# Altium PCB Ethernet2Mil_Adapter_Dual.PcbDoc (part 1 of 5) (continued)
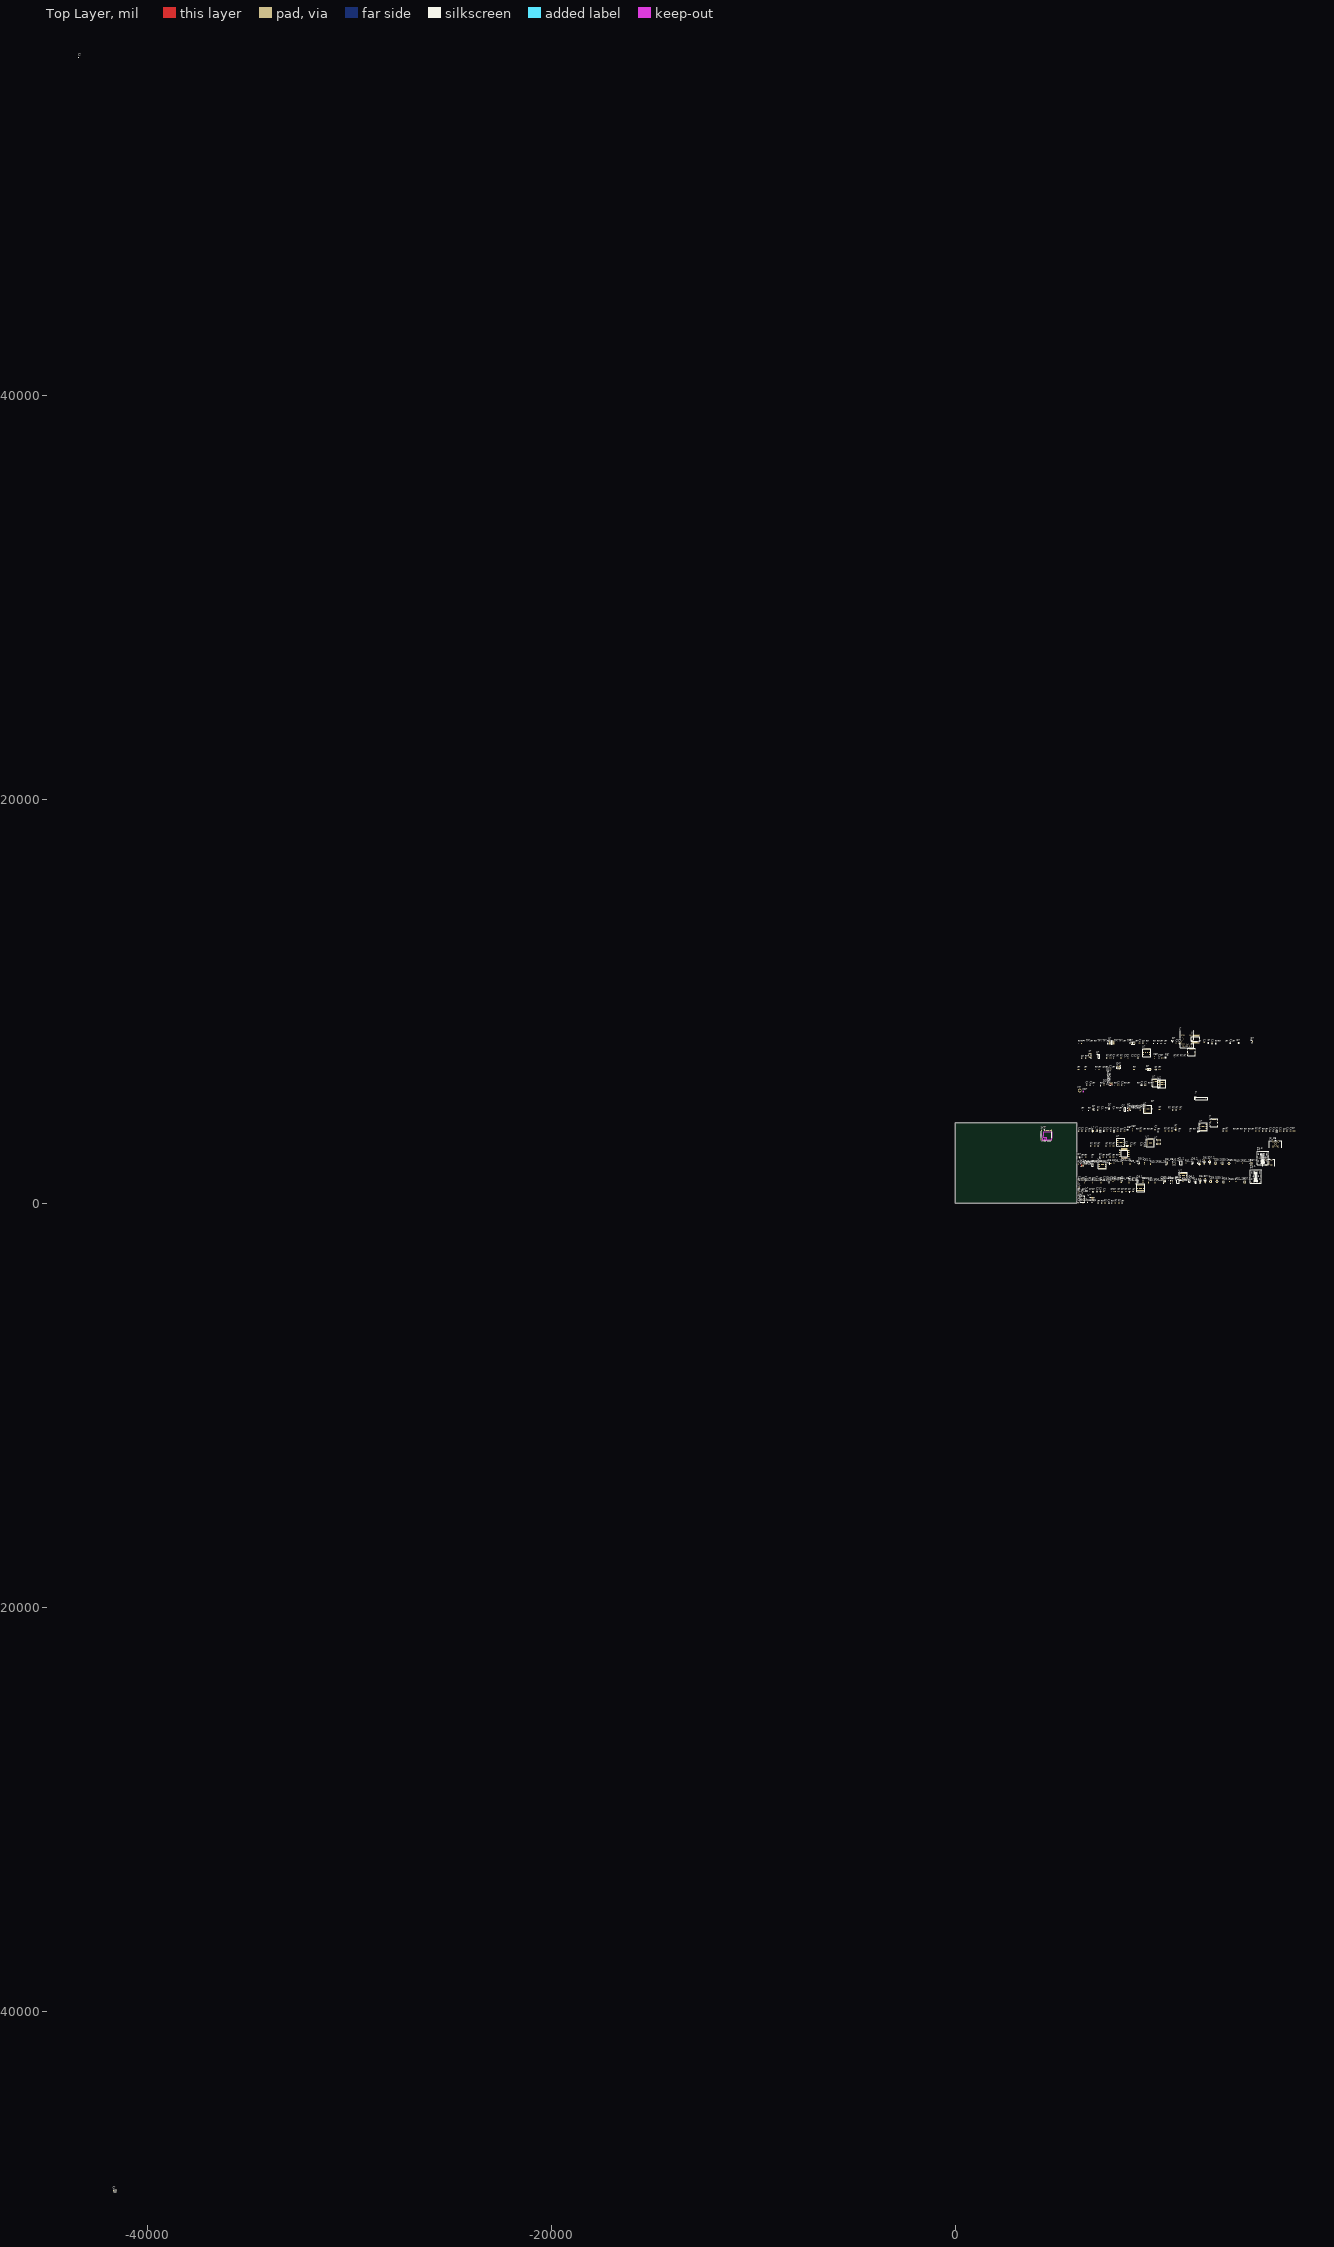
[diagram p0: Top Layer view]
## Components (designator, comment, footprint, x,y, rotation, side; value= is the part's Value field where it differs from the comment) (continued)
C? "Capacitor 470nF +/-40% 10V 0402" CAPC0402(1005)60_L 8370,7205 r0 top value=470nF (schematic designator C46)
C? "Capacitor 100 nF +/-10% 50 V 0603" CAPC1608X90X40NL10T20 9105,7930 r0 top value=100nF (schematic designator C69)
C? "Capacitor 10 pF +/- 5% 50 V 0402" CAPC1005X55X25ML05T05 10925,7935 r0 top value=10pF (schematic designator C91)
C? "Capacitor 470nF +/-40% 10V 0402" CAPC0402(1005)60_L 15730,3585 r0 top value=470nF (schematic designator C10)
C? "Capacitor 4.7µF +/-20% 10V 0603" CAPC0603(1608)100_L 7685,3585 r0 top value=4.7µF (schematic designator C99)
C? "Capacitor 100 nF +/-10% 50 V 0603" CAPC1608X90X40NL10T20 8365,3585 r0 top value=100nF (schematic designator C71)
C? "Capacitor 470nF +/-40% 10V 0402" CAPC0402(1005)60_L 6450,3585 r0 top value=470nF (schematic designator C15)
C? "Capacitor 470nF +/-40% 10V 0402" CAPC0402(1005)60_L 8190,3580 r0 top value=470nF (schematic designator C17)
C? "Capacitor 470nF +/-40% 10V 0402" CAPC0402(1005)60_L 15560,3585 r0 top value=470nF (schematic designator C13)
C? "Capacitor 100 nF +/-10% 50 V 0603" CAPC1608X90X40NL10T20 16580,3585 r0 top value=100nF (schematic designator C67)
C? "Capacitor 100 nF +/-10% 50 V 0603" CAPC1608X90X40NL10T20 7510,3580 r0 top value=100nF (schematic designator C65)
C? "Capacitor 4.7µF +/-20% 10V 0603" CAPC0603(1608)100_L 9880,3665 r90 top value=4.7µF (schematic designator C78)
C? "C0402C270F5GACTU" FP-C0402-BB-MFG 7345,3585 r0 top value=27pF (schematic designator C102)
C? "Capacitor 1 uF +/- 10% 50 V 0805" CAPC2013X135X45NL10T25 16070,3585 r0 top value=1µF (schematic designator C49)
C? "Capacitor 4.7µF +/-20% 10V 0603" CAPC0603(1608)100_L 16410,3585 r0 top value=4.7µF (schematic designator C30)
C? "EMK107SD103KA-T" FP-0603-L_1_6_0_1-W_0_8_0-MFG 9210,5865 r0 top (schematic designator C18)
C? "Capacitor 470nF +/-40% 10V 0402" CAPC0402(1005)60_L 7240,4635 r0 top value=470nF (schematic designator C25)
C? "Capacitor 1 uF +/- 10% 50 V 0805" CAPC2013X135X45NL10T25 8060,5865 r0 top value=1µF (schematic designator C50)
C? "Capacitor 470nF +/-40% 10V 0402" CAPC0402(1005)60_L 6680,5860 r0 top value=470nF (schematic designator C38)
C? "Capacitor 4.7µF +/-20% 10V 0603" CAPC0603(1608)100_L 6495,5865 r0 top value=4.7µF (schematic designator C63)
C? "Capacitor 470nF +/-40% 10V 0402" CAPC0402(1005)60_L 7805,4635 r0 top value=470nF (schematic designator C39)
C? "Capacitor 4.7µF +/-20% 10V 0603" CAPC0603(1608)100_L 6270,3580 r0 top value=4.7µF (schematic designator C82)
C? "Capacitor 470nF +/-40% 10V 0402" CAPC0402(1005)60_L 16235,3580 r0 top value=470nF (schematic designator C34)
C? "VJ0805Y104JXXAT" CAPC2013X145X48ML20T23 16750,3585 r0 top value=100nF (schematic designator C51)
C? "Capacitor 100 nF +/-10% 50 V 0603" CAPC1608X90X40NL10T20 10095,4645 r0 top value=100nF (schematic designator C79)
C? "Capacitor 100 nF +/-10% 50 V 0603" CAPC1608X90X40NL10T20 8025,3585 r0 top value=100nF (schematic designator C72)
C? "GRM188R60J226MEA0J" FP-GRM188-0_2-IPC_C 15900,3585 r0 top (schematic designator C86)
CM? "DLW5BTM251SQ2L" CMC-2020 8085,6720 r0 top (schematic designator CM1)
D6.1 "SZ1SMA5932BT3G" ONSC-SMA-2-403D-02_F_V 12105,1140 r90 top (schematic designator D6)
D6.2 "SZ1SMA5932BT3G" ONSC-SMA-2-403D-02_F_V 12305,2050 r90 top (schematic designator D6)
D7.1 "SZ1SMA5932BT3G" ONSC-SMA-2-403D-02_F_V 12365,1140 r90 top (schematic designator D7)
D7.2 "SZ1SMA5932BT3G" ONSC-SMA-2-403D-02_F_V 12585,2050 r90 top (schematic designator D7)
D8.1 "MBR0520LT1G" FP-425-04-IPC_A 11585,1110 r90 top (schematic designator D8)
D8.2 "MBR0520LT1G" FP-425-04-IPC_A 11745,2020 r90 top (schematic designator D8)
D9.1 "MBR0520LT1G" FP-425-04-IPC_A 9020,1110 r90 top (schematic designator D9)
D9.2 "MBR0520LT1G" FP-425-04-IPC_A 9080,2020 r90 top (schematic designator D9)
D? "SP3420-04UTG" uDFN-10 9710,4735 r90 top (schematic designator D13)
D? "SM0402GC" LED_0402_GREEN 6125,2295 r0 top (schematic designator D5)
D? "LED_0402_GREEN" LED_0402_GREEN 9310,4705 r90 top (schematic designator D1)
D? "MMSZ5240BT1G" ONSC-SOD-123-2-425-04_V 7605,4705 r90 top (schematic designator D2)
D? "SMAJ5.0A-13-F" FP-SMA-MFG 8780,7935 r0 top (schematic designator D3)
D? "LED_0402_RED" LED_0402_RED 13990,7940 r0 top (schematic designator D4)
D? "SM0402GC" FP-SM0402GC-MFG 10745,8060 r90 top (schematic designator D11)
D? "SMAJ5.0A-13-F" FP-SMA-MFG 9580,6640 r0 top (schematic designator D10)
DS? "HSMG-C170" AVAG-HSMX-C170_V 7340,5895 r90 top (schematic designator DS1)
FB? "742792023" WE-CBF_0805_L2W1.2H0.9_HC 8750,3645 r90 top (schematic designator FB1)
FB? "MPZ1608S601ATA00" FP-MPZ1608-0_8-MFG 8520,3645 r90 top (schematic designator FB4)
FB? "MPZ1608S601ATA00" FP-MPZ1608-0_8-MFG 10405,7225 r90 top (schematic designator FB3)
FB? "742792023" WE-CBF_0805_L2W1.2H0.9_HC 9835,7225 r90 top (schematic designator FB2)
FD? "FID1X2R" FID1X2R 6325,5540 r90 top (schematic designator FD1)
IC1.1 "UCC27624DR" SOIC127P600X175-8N 11020,1100 r0 top (schematic designator IC1)
IC1.2 "UCC27624DR" SOIC127P600X175-8N 11160,2010 r0 top (schematic designator IC1)
J2_2B "CBBJR79A" CBBJR79A_MFG 15840,2505 r90 top (schematic designator J2)
J2_2B "CBBJR79A" CBBJR79A_MFG 15500,1595 r90 top (schematic designator J2)
J? "G800W302018EU" G800W302018EU 12175,5190 r90 top (schematic designator J5)
J? "1332643" 1332643 12790,3995 r0 top (schematic designator J1)
J? "HR911130A" HR911130A 11455,8135 r0 top (schematic designator J3)
J? "1332643" 1332643 11680,7495 r0 top (schematic designator J4)
L? "LQM18PN3R3MGHD" FP-LQM18PN_GH-MFG 6475,630 r0 top (schematic designator L2)
L? "SRN3015-3R3M" BOUR-SRN3015-2_V 6795,3590 r0 top (schematic designator L1)
M? "Mount3mm" Mount3mm-Footprint-1 6145,5585 r0 top (schematic designator M1)
Q3.1 "SI3932DV-T1-GE3" FP-C-06593-6-IPC_B 7600,1065 r0 top (schematic designator Q3)
Q3.2 "SI3932DV-T1-GE3" FP-C-06593-6-IPC_B 7640,1975 r0 top (schematic designator Q3)
Q3_2B "SI3932DV-T1-GE3" FP-C-06593-6-IPC_B 10335,1095 r90 top (schematic designator Q3)
Q3_2B "SI3932DV-T1-GE3" FP-C-06593-6-IPC_B 10455,2005 r90 top (schematic designator Q3)
Q? "IRF7324TRPBF" FP-PG-DSO-8-IPC_B 8385,4655 r0 top (schematic designator Q1)
Q? "BSS138" FP-318-08-IPC_B 6840,4655 r0 top (schematic designator Q4)
Q? "IRF7324TRPBF" FP-PG-DSO-8-IPC_B 7730,7965 r0 top (schematic designator Q1)
Q? "NTR4503NT1G" ONSC-SOT-23-3-318-08_V 14660,8010 r0 top (schematic designator Q2)
R11 "ERJ-3EKF4701V" RESC1608X55X30LL15T15#1 6075,510 r90 top value=4.7k
R13 "ERJ-3EKF4701V" RESC1608X55X30LL15T15#1 6275,510 r90 top value=4.7k
R32_2B "Resistor 0R +/- 5% 0603 100 mW" RESC1608X55X25ML10T15 13890,1055 r90 top value=0 (schematic designator R38)
R32_2B "Resistor 0R +/- 5% 0603 100 mW" RESC1608X55X25ML10T15 14210,1965 r90 top value=0 (schematic designator R38)
R36_2B "RC0603FR-0722RL" RESC1608X55X25LL10T15 9875,1030 r90 top value=22 (schematic designator R42)
R36_2B "RC0603FR-0722RL" RESC1608X55X25LL10T15 9995,1940 r90 top value=22 (schematic designator R42)
R37.1 "RES_0.75ohm_1W _1210" RESC3125X70X40LL20T20 14315,1065 r90 top value=0.75 (schematic designator R37)
R37.2 "RES_0.75ohm_1W _1210" RESC3125X70X40LL20T20 14635,1975 r90 top value=0.75 (schematic designator R37)
R38_1B "Resistor 0R +/- 5% 0603 100 mW" RESC1608X55X25ML10T15 7855,1965 r90 top value=0 (schematic designator R45)
R38_1B "Resistor 0R +/- 5% 0603 100 mW" RESC1608X55X25ML10T15 7795,1055 r90 top value=0 (schematic designator R45)
R39.1 "RES_0.75ohm_1W _1210" RESC3125X70X40LL20T20 13265,1065 r90 top value=0.75 (schematic designator R39)
R39.2 "RES_0.75ohm_1W _1210" RESC3125X70X40LL20T20 13545,1975 r90 top value=0.75 (schematic designator R39)
R39_1B "ERJ-3EKF4701V" RESC1608X55X30LL15T15#1 8645,1945 r90 top value=4.7k (schematic designator R44)
R39_1B "ERJ-3EKF4701V" RESC1608X55X30LL15T15#1 8585,1035 r90 top value=4.7k (schematic designator R44)
R40.1 "Resistor 0R +/- 5% 0603 100 mW" RESC1608X55X25ML10T15 13570,1055 r90 top value=0 (schematic designator R40)
R40.2 "Resistor 0R +/- 5% 0603 100 mW" RESC1608X55X25ML10T15 13870,1965 r90 top value=0 (schematic designator R40)
R41.1 "Resistor 0R +/- 5% 0603 100 mW" RESC1608X55X25ML10T15 11260,1055 r90 top value=0 (schematic designator R41)
R41.2 "Resistor 0R +/- 5% 0603 100 mW" RESC1608X55X25ML10T15 11400,1965 r90 top value=0 (schematic designator R41)
R41_2B "ERJ-3EKF4701V" RESC1608X55X30LL15T15#1 6815,1945 r90 top value=4.7k (schematic designator R49)
R41_2B "ERJ-3EKF4701V" RESC1608X55X30LL15T15#1 6795,1035 r90 top value=4.7k (schematic designator R49)
R43.1 "ERJ-3EKF4701V" RESC1608X55X30LL15T15#1 9555,1035 r90 top value=4.7k (schematic designator R43)
R43.2 "ERJ-3EKF4701V" RESC1608X55X30LL15T15#1 9655,1945 r90 top value=4.7k (schematic designator R43)
R43_1B "ERJ-3EKF4701V" RESC1608X55X30LL15T15#1 6395,1035 r90 top value=4.7k (schematic designator R48)
R43_1B "ERJ-3EKF4701V" RESC1608X55X30LL15T15#1 6415,1945 r90 top value=4.7k (schematic designator R48)
R46.1 "RC0603FR-0722RL" RESC1608X55X25LL10T15 7195,1030 r90 top value=22 (schematic designator R46)
R46.2 "RC0603FR-0722RL" RESC1608X55X25LL10T15 7215,1940 r90 top value=22 (schematic designator R46)
R47.1 "ERJ-3EKF4701V" RESC1608X55X30LL15T15#1 6075,1035 r90 top value=4.7k (schematic designator R47)
R47.2 "ERJ-3EKF4701V" RESC1608X55X30LL15T15#1 6075,1945 r90 top value=4.7k (schematic designator R47)
R53 "ERA-2AEB470X" RESC1005X40X25LL10T10 6070,280 r90 top value=47
R? "Resistor 10k +/-1% 0402 63 mW" RESC1005X40X25ML05T05 10375,3580 r0 top value=10k (schematic designator R114)
R? "Resistor 22R  +/-5 % 0402 63 mW" RESC0402(1005)_L 15380,3580 r0 top value=22 (schematic designator R87)
R? "RC0402FR-072K49L" RESC1005X40X25NL05T10 13765,3575 r0 top value=2.49k (schematic designator R86)
R? "ERA-2AEB470X" RESC1005X40X25LL10T10 9335,3575 r0 top value=47 (schematic designator R52)
R? "Resistor 1k +/-1% 0402 100 mW" RESC1005X40X25ML05T05 10715,3580 r0 top value=1k (schematic designator R68)
R? "Resistor 22R  +/-5 % 0402 63 mW" RESC0402(1005)_L 14320,3575 r0 top value=22 (schematic designator R65)
R? "CR0402-FX-24R0GLF" FP-CR0402-IPC_C 11990,3575 r0 top value=24 (schematic designator R103)
R? "Resistor 10R  +/-1 % 0402 63 mW" RESC0402(1005)_L 6615,3575 r0 top value=0_DNR (schematic designator R9)
R? "Resistor 1K +/-5 % 0402 63 mW" RESC0402(1005)_L 14505,3575 r0 top value=1k (schematic designator R98)
R? "Resistor 4k7 +/-1% 0402 100 mW" RESC1005X40X25ML05T05 11805,3575 r0 top value=4.7k (schematic designator R77)
R? "Resistor 4k7 +/-1% 0402 100 mW" RESC1005X40X25ML05T05 14870,3580 r0 top value=4.7k (schematic designator R78)
R? "RN73R1ETTP5101F25" FP-RN73R1E-MFG 10030,3575 r0 top value=5.1k (schematic designator R106)
R? "Resistor 100k +/-1% 0402 63 mW" RESC1005X40X25ML05T05 15040,3580 r0 top value=100k (schematic designator R94)
R? "Resistor 200K +/-1 % 0402 63 mW" RESC0402(1005)_L 11065,3575 r0 top value=200k (schematic designator R97)
R? "ERJ-3EKF4701V" RESC1608X55X30LL15T15#1 13415,3580 r0 top value=4.7k (schematic designator R17)
R? "Resistor 0R +/- 5% 0402 63 mW" RESC1005X40X25ML05T05 8980,3575 r0 top value=0_DNP (schematic designator R102)
R? "Resistor 2K2  +/-5 % 0402 63 mW" RESC0402(1005)_L 11620,3575 r0 top value=2.2k_DNR (schematic designator R27)
R? "Resistor 22R  +/-5 % 0402 63 mW" RESC0402(1005)_L 15210,3580 r0 top value=22 (schematic designator R84)
R? "ERA-2AEB470X" RESC1005X40X25LL10T10 13950,3575 r0 top value=47 (schematic designator R54)
R? "Resistor 100k +/-1% 0402 63 mW" RESC1005X40X25ML05T05 14135,3575 r0 top value=100k (schematic designator R91)
R? "Resistor 0R +/- 5% 0402 100 mW" RESC1005X40X25ML05T05 9690,3575 r0 top value=0 (schematic designator R23)
R? "Resistor 4k7 +/-1% 0402 100 mW" RESC1005X40X25ML05T05 10545,3580 r0 top value=4.7k (schematic designator R85)
R? "Resistor 0R +/- 0.05% 1206 250 mW" RESC3116X70X50ML13T20 10900,3665 r90 top value=0_DNR (schematic designator R76)
R? "Resistor 10k +/-1% 0402 100 mW" RESC1005X40X25ML05T05 9520,3575 r0 top value=10k (schematic designator R33)
R? "Resistor 2K2  +/-5 % 0402 63 mW" RESC0402(1005)_L 13245,3580 r0 top value=2.2k (schematic designator R28)
R? "Resistor 22R  +/-5 % 0402 63 mW" RESC0402(1005)_L 6780,2290 r0 top value=22 (schematic designator R63)
R? "Resistor 22R  +/-5 % 0402 63 mW" RESC0402(1005)_L 7475,2290 r0 top value=22 (schematic designator R64)
R? "Resistor 22R  +/-5 % 0402 63 mW" RESC0402(1005)_L 8790,585 r0 top value=22 (schematic designator R83)
R? "CR0402-FX-24R0GLF" FP-CR0402-IPC_C 7140,2290 r0 top value=24 (schematic designator R100)
R? "Resistor 10k +/-1% 0402 63 mW" RESC1005X40X25ML05T05 7310,2290 r0 top value=10k (schematic designator R116)
R? "Resistor 4k7 +/-1% 0402 100 mW" RESC1005X40X25ML05T05 7915,20 r0 top net-tie value=DNP_4.7k (schematic designator R60)
R? "ERJ-3EKF4701V" RESC1608X55X30LL15T15#1 8095,25 r0 top value=4.7k (schematic designator R19)
R? "Resistor 22R  +/-5 % 0402 63 mW" RESC0402(1005)_L 7235,20 r0 top value=22 (schematic designator R75)
R? "Resistor 22R  +/-5 % 0402 63 mW" RESC0402(1005)_L 7745,20 r0 top value=22 (schematic designator R71)
R? "ERJ-3EKF4701V" RESC1608X55X30LL15T15#1 7405,20 r0 top value=4.7k (schematic designator R14)
R? "47D5KR2F" RESC0402(1005)_L 8255,20 r0 top value=47.5k (schematic designator R8)
R? "Resistor 47K5 +/-1 % 0402 63 mW" RESC0402(1005)_L 7065,20 r0 top value=47.5k (schematic designator R21)
R? "Resistor 2K2  +/-5 % 0402 63 mW" RESC0402(1005)_L 7990,2280 r0 top value=2.2k (schematic designator R29)
R? "Resistor 100R +/-1 % 0402 63 mW" RESC0402(1005)_L 6705,2845 r0 top value=100 (schematic designator R16)
R? "ERJ-3EKF4701V" RESC1608X55X30LL15T15#1 7820,2845 r0 top value=4.7k (schematic designator R20)
R? "Resistor 0R +/- 5% 0402 63 mW" RESC1005X40X25ML05T05 7635,2845 r0 top value=0_DNP (schematic designator R107)
R? "Resistor 1K +/-5 % 0402 63 mW" RESC0402(1005)_L 7075,2845 r0 top value=1k (schematic designator R25)
R? "Resistor 100k +/-1% 0402 63 mW" RESC1005X40X25ML05T05 14690,3575 r0 top value=100k (schematic designator R88)
R? "ERJ-3EKF1000V" RESC1608X55X30LL15T15#2 9155,3580 r0 top value="100 Ω" (schematic designator R110)
R? "47D5KR2F" RESC0402(1005)_L 8850,2855 r0 top value=47.5k (schematic designator R3)
R? "ERJ-3EKF4701V" RESC1608X55X30LL15T15#1 7815,2290 r0 top value=4.7k (schematic designator R12)
R? "Resistor 22R  +/-5 % 0402 63 mW" RESC0402(1005)_L 6270,2290 r0 top value=22 (schematic designator R72)
R? "Resistor 10k +/-1% 0402 100 mW" RESC1005X40X25ML05T05 6440,2290 r0 top value=10k (schematic designator R32)
R? "RC0603JR-070RL" RESC1608X55X25ML10T15 7645,2290 r0 top (schematic designator R96)
R? "Resistor 22R  +/-5 % 0402 63 mW" RESC0402(1005)_L 7450,2845 r0 top value=22 (schematic designator R61)
R? "Resistor 4k7 +/-1% 0402 100 mW" RESC1005X40X25ML05T05 6890,2845 r0 top value=4.7k (schematic designator R59)
R? "Resistor 4k7 +/-1% 0402 100 mW" RESC1005X40X25ML05T05 11325,7205 r0 top value=4.7k (schematic designator R58)
R? "47D5KR2F" RESC0402(1005)_L 7495,7200 r0 top value=47.5k (schematic designator R6)
R? "ERA-2AEB470X" RESC1005X40X25LL10T10 8005,7200 r0 top value=47 (schematic designator R55)
R? "CR0402-FX-24R0GLF" FP-CR0402-IPC_C 12870,7920 r0 top value=24 (schematic designator R101)
R? "RC0402FR-07510RL" RESC1005X40X25NL05T10 10985,7205 r0 top value=510 (schematic designator R82)
R? "RC0603FR-0749R9L" RESC1608X55X25NL10T15 7665,7200 r0 top value="49.9 Ω" (schematic designator R1)
R? "CR0402-FX-5233GLF" RESC1005X40X25LL10T10 11155,7205 r0 top value=523k (schematic designator R92)
R? "Resistor 22R  +/-5 % 0402 63 mW" RESC0402(1005)_L 10815,7205 r0 top value=22 (schematic designator R74)
R? "Resistor 22R  +/-5 % 0402 63 mW" RESC0402(1005)_L 6440,7195 r0 top value=22 (schematic designator R70)
R? "ERJ-3EKF1000V" RESC1608X55X30LL15T15#2 8185,7195 r0 top value="100 Ω" (schematic designator R109)
R? "Resistor 200K +/-1 % 0402 63 mW" RESC0402(1005)_L 10375,7920 r0 top value=200k (schematic designator R93)
R? "47D5KR2F" RESC0402(1005)_L 6095,7925 r0 top value=47.5k (schematic designator R5)
R? "Resistor 51k +/-5% 0402 63 mW" RESC1005X40X25ML05T10 6900,7925 r0 top value=51k (schematic designator R26)
R? "Resistor 10k +/-1% 0402 100 mW" RESC1005X40X25ML05T05 13045,7925 r0 top value=10k (schematic designator R22)
R? "CRCW04021M13FKED" RESC1005X40X25NL05T05 13400,7925 r0 top value=1.13M (schematic designator R95)
R? "ERA-2AEB470X" RESC1005X40X25LL10T10 8935,7920 r0 top value=47 (schematic designator R56)
R? "Resistor 1k +/-1% 0402 100 mW" RESC1005X40X25ML05T05 6730,7925 r0 top value=1k (schematic designator R67)
R? "Resistor 2K +/-5 % 0402 63 mW" RESC0402(1005)_L 9815,7920 r0 top value=2k (schematic designator R118)
R? "47D5KR2F" RESC0402(1005)_L 9455,7925 r0 top value=47.5k (schematic designator R4)
R? "Resistor 200K +/-1 % 0402 63 mW" RESC0402(1005)_L 10000,7920 r0 top value=200k (schematic designator R89)
R? "Resistor 10k +/-1% 0402 100 mW" RESC1005X40X25ML05T05 8355,7925 r0 top value=10k (schematic designator R34)
R? "Resistor 0R +/- 5% 0402 63 mW" RESC1005X40X25ML05T05 13765,7920 r0 top value=0_DNP (schematic designator R99)
R? "CR0402-FX-24R0GLF" FP-CR0402-IPC_C 7540,7925 r0 top value=24 (schematic designator R104)
R? "Resistor 200K +/-1 % 0402 63 mW" RESC0402(1005)_L 10190,7920 r0 top value=200k (schematic designator R90)
R? "ERJ-3EKF4701V" RESC1608X55X30LL15T15#1 6095,6630 r0 top value=4.7k (schematic designator R18)
R? "Resistor 1k +/-1% 0402 100 mW" RESC1005X40X25ML05T05 10560,4640 r0 top net-tie value=0 (schematic designator R50)
R? "Resistor 1K +/-5 % 0402 63 mW" RESC0402(1005)_L 10755,4625 r0 top value=1k (schematic designator R24)
R? "Resistor 2K2  +/-5 % 0402 63 mW" RESC0402(1005)_L 10935,4625 r0 top value=2.2k (schematic designator R30)
R? "47D5KR2F" RESC0402(1005)_L 7040,4625 r0 top value=47.5k (schematic designator R2)
R? "ERJ-3EKF1000V" RESC1608X55X30LL15T15#2 8565,5850 r0 top value="100 Ω" (schematic designator R111)
R? "Resistor 12K  +/-1 % 0402 63 mW" RESC0402(1005)_L 8380,5845 r0 top value=12k (schematic designator R112)
R? "Resistor 10k +/-1% 0402 63 mW" RESC1005X40X25ML05T05 7985,4610 r0 top value=10k (schematic designator R115)
R? "Resistor 4k7 +/-1% 0402 100 mW" RESC1005X40X25ML05T05 9140,4625 r0 top value=4.7k (schematic designator R57)
R? "47D5KR2F" RESC0402(1005)_L 6605,4605 r0 top value=47.5k (schematic designator R7)
R? "Resistor 22R  +/-5 % 0402 63 mW" RESC0402(1005)_L 7425,4610 r0 top value=22 (schematic designator R73)
R? "22R2J" RESC0402(1005)_L 6270,4610 r0 top value=22 (schematic designator R117)
R? "ERJ-3EKF1000V" RESC1608X55X30LL15T15#2 11125,4640 r0 top value="100 Ω" (schematic designator R108)
R? "Resistor 22R  +/-5 % 0402 63 mW" RESC0402(1005)_L 8150,4605 r0 top value=22 (schematic designator R62)
R? "Resistor 22R  +/-5 % 0402 63 mW" RESC0402(1005)_L 6935,6640 r0 top value=22 (schematic designator R66)
R? "ERJ-3EKF4701V" RESC1608X55X30LL15T15#1 10090,6625 r0 top value=4.7k (schematic designator R15)
R? "RC0402FR-07510RL" RESC1005X40X25NL05T10 7460,6640 r0 top value=510 (schematic designator R81)
R? "Resistor 1k +/-1% 0402 100 mW" RESC1005X40X25ML05T05 7115,6630 r0 top value=1k (schematic designator R80)
R? "Resistor 10k +/-1% 0402 100 mW" RESC1005X40X25ML05T05 6425,6630 r0 top value=10k (schematic designator R36)
R? "Resistor 1k +/-1% 0402 100 mW" RESC1005X40X25ML05T05 7820,6640 r0 top value=1k (schematic designator R69)
R? "Resistor 1k +/-1% 0402 100 mW" RESC1005X40X25ML05T05 8835,6630 r0 top value=1k (schematic designator R79)
R? "Resistor 100k +/-1% 0402 63 mW" RESC1005X40X25ML05T05 9730,5850 r0 top value=100k (schematic designator R35)
R? "Resistor 1K +/-5 % 0402 63 mW" RESC0402(1005)_L 7875,5845 r0 top value=1k (schematic designator R31)
R? "Resistor 10k +/-1% 0402 63 mW" RESC1005X40X25ML05T05 9025,5845 r0 top value=10k (schematic designator R113)
R? "ERA-2AEB470X" RESC1005X40X25LL10T10 9550,5845 r0 top value=47 (schematic designator R51)
R? "Resistor 200R +/-5 % 0402 63 mW" RESC0402(1005)_L 6825,5845 r0 top value=200 (schematic designator R10)
R? "RN73R1ETTP5101F25" FP-RN73R1E-MFG 7180,5850 r0 top value=5.1k (schematic designator R105)
SKT? "5033981892" MOLX-5033981892_V 4494.49,3363.74 r0 top (schematic designator SKT1)
T1.1 "Q1553-22" "New footprint 1" 15050,1075 r90 top (schematic designator T1)
T1.2 "Q1553-22" "New footprint 1" 15390,1985 r90 top (schematic designator T1)
TP? "TPAD6R" TP06R 7290,7950 r90 top (schematic designator TP5)
TP? "TPAD6R" TP06R 8505,7950 r90 top (schematic designator TP1)
TP? "TPAD6R" TP06R 6240,7915 r90 top (schematic designator TP3)
TP? "TPAD6R" TP06R 8100,7950 r90 top (schematic designator TP4)
TP? "TestPoint_Ground_0.6mm" TestPoint_Ground_0.6mm-Footprint-1 7055,7950 r90 top (schematic designator TP7)
TP? "TPAD6R" TP06R 6480,7950 r90 top (schematic designator TP6)
TP? "TPAD6R" TP06R 7865,7950 r90 top (schematic designator TP2)
U4.1 "MIC5504-3.3YM5-TR" FP-SOT23-5LD-PL-1-MFG 11890,1055 r0 top (schematic designator U4)
U4.2 "MIC5504-3.3YM5-TR" FP-SOT23-5LD-PL-1-MFG 12070,1965 r0 top (schematic designator U4)
U5.1 "LTC2865IDE#PBF" LT-DE-UE-12_V 10695,1075 r0 top (schematic designator U5)
U5.2 "LTC2865IDE#PBF" LT-DE-UE-12_V 10815,1985 r0 top (schematic designator U5)
U? "FT4232HL-REEL" FP-LQFP-64-IPC_A 8360,2470 r0 top (schematic designator U12)
U? "LM3881MME/NOPB" FP-DGK0008A-IPC_B 6775,1905 r0 top (schematic designator U8)
U? "XC7A35T-1CPG236C" CPG236 8185,3035 r0 top (schematic designator U1)
U? "XC7A35T-1CPG236C" CPG236 9645,3010 r0 top (schematic designator U1)
U? "RTL8211F-CG" QFN-40-0.4-EP 10065,3035 r0 top (schematic designator U6)
U? "XPSM828303ARDSR" RDS0009A-MFG 6285,1905 r0 top (schematic designator U10)
U? "CYPD3177-24LQXQ" QFN-24-0MM5 6775,210 r0 top (schematic designator U3)
U? "IS61WV5128BLL-10BLI" FP-IS61WV5128BLL-10BLI-IPC_A 6285,210 r0 top (schematic designator U2)
U? "XC7A35T-1CPG236C" CPG236 9160,775 r0 top (schematic designator U1)
U? "XC7A35T-1CPG236C" CPG236 7265,1905 r0 top (schematic designator U1)
U? "XC7A35T-1CPG236C" CPG236 11275,1340 r0 top (schematic designator U1)
U? "XPSM828303ARDSR" RDS0009A-MFG 7695,5925 r90 top (schematic designator U9)
U? "93LC56B-I/SN" SOIC-SN8_L 7100,7280 r0 top (schematic designator U13)
U? "ADUM3160BRWZ" FP-RW-16-IPC_C 11875,8130 r90 top (schematic designator U11)
U? "XC7A35T-1CPG236C" CPG236 9460,7465 r0 top (schematic designator U1)
U? "XC7A35T-1CPG236C" CPG236 10210,5925 r90 top (schematic designator U1)
U? "XPSM828303ARDSR" RDS0009A-MFG 8600,4670 r0 top (schematic designator U7)
U? "XC7A35T-1CPG236C" CPG236 12255,3785 r90 top (schematic designator U1)
U? "XC7A35T-1CPG236C" CPG236 9525,4650 r0 top (schematic designator U1)
U? "XC7A35T-1CPG236C" CPG236 9930,5975 r90 top (schematic designator U1)
X? "ABM3B-12.000MHZ-B2-T" ABRA-ABM3B-4_V 6655,7325 r90 top (schematic designator X1)
Y1 "ASDM1-12.000MHZ-LC-T" FP-ASDM-ASDMB-MFG 6110,785 r0 top
Y? "ECS-2520MV-250-BN-TR" OSC_ECS-2520S25-250-FN-TR 7000,3610 r0 top (schematic designator Y2)

## Footprints (in the part's own frame and the unit in brackets; to place one, negate y for a bottom-side part, rotate by r counter-clockwise, add the part's x,y. Pads: shape width x height; smd on the part's side, far side on the other; paste and mask are expansions set on the pad)
1332643 [mm]
  rect 0.3x0.9 smd: A1(-2.75,3.795) A2(-2.25,3.795) A3(-1.75,3.795) A4(-1.25,3.795) A5(-0.75,3.795) A6(-0.25,3.795) A7(0.25,3.795) A8(0.75,3.795) A9(1.25,3.795) A10(1.75,3.795) A11(2.25,3.795) A12(2.75,3.795)
  round 0.7 hole 0.4: B1(2.8,2.585) B2(2.4,1.885) B3(1.6,1.885) B4(1.2,2.585) B5(0.8,1.885) B6(0.4,2.585) B7(-0.4,2.585) B8(-0.8,1.885) B9(-1.2,2.585) B10(-1.6,1.885) B11(-2.4,1.885) B12(-2.8,2.585)
  round 0.325 hole 0.65 unplated: MH1(-3.6,3.235)
  round 0.475 hole 0.95 unplated: MH2(3.6,3.235)
  round 1.815 hole 1.21: MH3(4.13,1.995) MH4(-4.13,1.995) MH5(-4.49,-2.405) MH6(4.49,-2.405)
  silkscreen extent -4.92,-4.93 4.92,5.5, body extent -4.92,-4.93 4.93,4.94, height 3.36
ABRA-ABM3B-4_V [mm] "SMD, 4-Leads, Body 5x3.2mm"
  rect 1.8x1.2 smd: 1(-2,-1.2) 2(2,-1.2) 3(2,1.2) 4(-2,1.2)
  silkscreen extent -3.57,-1.6 2.5,1.6, body extent -2.5,-1.59 2.5,1.59, height 1.13
AVAG-HSMX-C170_V [mm] "SMD, 2-Leads, Body 2x1.25mm, Height 0.8mm"
  rect 1.2x1.2 smd: 1(-1.05,0) 2(1.05,0)
  silkscreen extent 2.15,-0.63 2.15,0.63, body extent -1,-0.63 1,0.63, height 0.8
BOUR-SRN3015-2_V [mm] "SMD, 2-Leads, Body 3x3mm, Height 1.5mm"
  rect 1x2.7 smd: 1(-1.1,0) 2(1.1,0)
  silkscreen extent -1.22,-1.5 0.2,2.02, body extent -1.5,-1.5 1.5,1.5, height 1.5
CAPC0402(1005)60_L [mm] "Chip Capacitor, Body 1.0x0.5mm, Height 0.6mm, IPC High Density"
  rrect25% 0.5x0.55 smd: 1(-0.45,0) 2(0.45,0)
  silkscreen extent 0,-0.2 0,0.2, body extent -0.5,-0.25 0.5,0.25, height 0.6
CAPC0603(1608)100_L [mm] "Chip Capacitor, Body 1.6x0.8mm, Height 1.0mm, IPC High Density"
  rrect25% 0.66x0.76 smd: 1(-0.7,0) 2(0.7,0)
  silkscreen extent 0,-0.3 0,0.3, body extent -0.8,-0.4 0.8,0.4, height 0.95
CAPC0805(2012)145_L [mm] "Chip Capacitor, Body 2.0x1.2mm, Height 1.45mm, IPC High Density"
  rrect25% 0.76x1.3 smd: 1(-0.9,0) 2(0.89,0)
  silkscreen extent -0.3,-0.55 0.3,0.55, body extent -1,-0.6 1,0.6, height 1.45
CAPC1005X55X25ML05T05 [mm] "Chip Capacitor, 2-Leads, Body 1.05x0.55mm, IPC Low Density"
  rect 0.72x0.72 smd: 1(-0.51,0) 2(0.51,0)
  body extent -0.53,-0.28 0.53,0.28, height 0.55
CAPC1005X56X25LL10T15 [mm] "Chip Capacitor, 2-Leads, Body 1.10x0.60mm, IPC High Density"
  rect 0.58x0.54 smd: 1(-0.39,0) 2(0.39,0)
  body extent -0.55,-0.3 0.55,0.3, height 0.56
CAPC1608X90X35LL15T15 [mm] "Chip Capacitor, 2-Leads, Body 1.60x0.81mm, IPC High Density"
  rect 0.85x0.9 smd: 1(-0.65,0) 2(0.65,0)
  body extent -0.88,-0.48 0.87,0.48, height 0.9
CAPC1608X90X40NL10T20 [mm] "Chip Capacitor, 2-Leads, Body 1.70x0.90mm, IPC Medium Density"
  rect 0.95x0.95 smd: 1(-0.625,0) 2(0.625,0)
  body extent -0.85,-0.45 0.85,0.45, height 0.9
CAPC2013X135X45NL10T25 [mm] "Chip Capacitor, 2-Leads, Body 2.10x1.35mm, IPC Medium Density"
  rect 1.2x1.4 smd: 1(-0.85,0) 2(0.85,0)
  body extent -1.05,-0.67 1.05,0.67, height 1.35
CAPC2013X145X48ML20T23 [mm] "Chip Capacitor, 2-Leads, Body 2.00x1.25mm, IPC Low Density"
  rect 1.5x1.55 smd: 1(-0.925,0) 2(0.925,0)
  body extent -1.1,-0.72 1.1,0.72, height 1.45
CAPC3216X180X20ML20 [mm] "Chip Capacitor, 2-Leads, Body 3.40x1.80mm, IPC Low Density"
  rect 0.95x1.9 smd: 1(-1.775,0) 2(1.775,0)
  silkscreen extent -0.9,-0.85 0.9,0.85, body extent -1.7,-0.9 1.7,0.9, height 1.8
CAPC3325X279X50NL40T25 [mm] "Chip Capacitor, 2-Leads, Body 3.70x2.70mm, IPC Medium Density"
  rect 1.5x2.7 smd: 1(-1.45,0) 2(1.45,0)
  silkscreen extent -0.3,-1.25 0.3,1.25, body extent -1.85,-1.35 1.85,1.35, height 2.79
CBBJR79A_MFG [mil] "Recommended Land Pattern"
  rect 94.09x95.96 hole 62.5: 1(453,0)
  rrect100% 94.09x95.96 hole 62.5: 2(353,0)
  round 95.96 hole 62.5: 3(303,129) 4(561,129) 5(303,-129) 6(561,-129)
  silkscreen extent 256,-302 630,302, body extent -604,-305 613,305, height 10
CMC-2020 [mm]
  rect 1x1.7 smd: 1(0.95,1.5) 2(-0.95,1.5) 3(-0.95,-1.5) 4(0.95,-1.5)
  rect 1.3x0.7 smd: 1(2.1,2) 2(-2.1,2) 3(-2.1,-2) 4(2.1,-2)
  silkscreen extent -2.6,-1.3 2.6,2.8, body extent -2.5,-2.5 2.5,2.5, height 2.51
CPG236 [mm] "BGA, 238-Ball, Body 10x10mm,Pitch 0.5mm"
  round 0.25 smd: A1(-4.5,4.5) A2(-4,4.5) A3(-3.5,4.5) A4(-3,4.5) A5(-2.5,4.5) A6(-2,4.5) A7(-1.5,4.5) A8(-1,4.5) A9(-0.5,4.5) A10(0,4.5) A11(0.5,4.5) A12(1,4.5) A13(1.5,4.5) A14(2,4.5) A15(2.5,4.5) A16(3,4.5) A17(3.5,4.5) A18(4,4.5) A19(4.5,4.5) B1(-4.5,4) B2(-4,4) B3(-3.5,4) B4(-3,4) B5(-2.5,4) B6(-2,4) B7(-1.5,4) B8(-1,4) B9(-0.5,4) B10(0,4) B11(0.5,4) B12(1,4) B13(1.5,4) B14(2,4) B15(2.5,4) B16(3,4) B17(3.5,4) B18(4,4) B19(4.5,4) C1(-4.5,3.5) C2(-4,3.5) C3(-3.5,3.5) C4(-3,3.5) C5(-2.5,3.5) C6(-2,3.5) C7(-1.5,3.5) C8(-1,3.5) C9(-0.5,3.5) C10(0,3.5) C11(0.5,3.5) C12(1,3.5) C13(1.5,3.5) C14(2,3.5) C15(2.5,3.5) C16(3,3.5) C17(3.5,3.5) C18(4,3.5) C19(4.5,3.5) D1(-4.5,3) D2(-4,3) D3(-3.5,3) D17(3.5,3) D18(4,3) D19(4.5,3) E1(-4.5,2.5) E2(-4,2.5) E3(-3.5,2.5) E17(3.5,2.5) E18(4,2.5) E19(4.5,2.5) F1(-4.5,2) F2(-4,2) F3(-3.5,2) F17(3.5,2) F18(4,2) F19(4.5,2) G1(-4.5,1.5) G2(-4,1.5) G3(-3.5,1.5) G7(-1.5,1.5) G8(-1,1.5) G9(-0.5,1.5) G10(0,1.5) G11(0.5,1.5) G12(1,1.5) G13(1.5,1.5) G17(3.5,1.5) G18(4,1.5) G19(4.5,1.5) H1(-4.5,1) H2(-4,1) H3(-3.5,1) H7(-1.5,1) H8(-1,1) H9(-0.5,1) H10(0,1) H11(0.5,1) H12(1,1) H13(1.5,1) H17(3.5,1) H18(4,1) H19(4.5,1) J1(-4.5,0.5) J2(-4,0.5) J3(-3.5,0.5) J7(-1.5,0.5) J8(-1,0.5) J9(-0.5,0.5) J10(0,0.5) J11(0.5,0.5) J12(1,0.5) J13(1.5,0.5) J17(3.5,0.5) J18(4,0.5) J19(4.5,0.5) K1(-4.5,0) K2(-4,0) K3(-3.5,0) K7(-1.5,0) K8(-1,0) K12(1,0) K13(1.5,0) K17(3.5,0) K18(4,0) K19(4.5,0) L1(-4.5,-0.5) L2(-4,-0.5) L3(-3.5,-0.5) L7(-1.5,-0.5) L8(-1,-0.5) L9(-0.5,-0.5) L10(0,-0.5) L11(0.5,-0.5) L12(1,-0.5) L13(1.5,-0.5) L17(3.5,-0.5) L18(4,-0.5) L19(4.5,-0.5) M1(-4.5,-1) M2(-4,-1) M3(-3.5,-1) M7(-1.5,-1) M8(-1,-1) M9(-0.5,-1) M10(0,-1) M11(0.5,-1) M12(1,-1) M13(1.5,-1) M17(3.5,-1) M18(4,-1) M19(4.5,-1) N1(-4.5,-1.5) N2(-4,-1.5) N3(-3.5,-1.5) N7(-1.5,-1.5) N8(-1,-1.5) N9(-0.5,-1.5) N10(0,-1.5) N11(0.5,-1.5) N12(1,-1.5) N13(1.5,-1.5) N17(3.5,-1.5) N18(4,-1.5) N19(4.5,-1.5) P1(-4.5,-2) P2(-4,-2) P3(-3.5,-2) P17(3.5,-2) P18(4,-2) P19(4.5,-2) R1(-4.5,-2.5) R2(-4,-2.5) R3(-3.5,-2.5) R17(3.5,-2.5) R18(4,-2.5) R19(4.5,-2.5) T1(-4.5,-3) T2(-4,-3) T3(-3.5,-3) T17(3.5,-3) T18(4,-3) T19(4.5,-3) U1(-4.5,-3.5) U2(-4,-3.5) U3(-3.5,-3.5) U4(-3,-3.5) U5(-2.5,-3.5) U6(-2,-3.5) U7(-1.5,-3.5) U8(-1,-3.5) U9(-0.5,-3.5) U10(0,-3.5) U11(0.5,-3.5) U12(1,-3.5) U13(1.5,-3.5) U14(2,-3.5) U15(2.5,-3.5) U16(3,-3.5) U17(3.5,-3.5) U18(4,-3.5) U19(4.5,-3.5) V1(-4.5,-4) V2(-4,-4) V3(-3.5,-4) V4(-3,-4) V5(-2.5,-4) V6(-2,-4) V7(-1.5,-4) V8(-1,-4) V9(-0.5,-4) V10(0,-4) V11(0.5,-4) V12(1,-4) V13(1.5,-4) V14(2,-4) V15(2.5,-4) V16(3,-4) V17(3.5,-4) V18(4,-4) V19(4.5,-4) W1(-4.5,-4.5) W2(-4,-4.5) W3(-3.5,-4.5) W4(-3,-4.5) W5(-2.5,-4.5) W6(-2,-4.5) W7(-1.5,-4.5) W8(-1,-4.5) W9(-0.5,-4.5) W10(0,-4.5) W11(0.5,-4.5) W12(1,-4.5) W13(1.5,-4.5) W14(2,-4.5) W15(2.5,-4.5) W16(3,-4.5) W17(3.5,-4.5) W18(4,-4.5) W19(4.5,-4.5)
  silkscreen extent -5.77,-5 5,5, body extent -5,-5 5,5, height 1.38
FID1X2R [mm] "Fiducial - Round 1x2mm"
  round 1 smd paste-0.5 mask+0.5: 0(0,0)
  Top Layer keep-out circle w1: c0,0 r0.5
FP-318-08-IPC_B [mm]
  rect 1.524x0.578 smd paste+0 mask+0: 1(-0.91,0.95)
  rrect100% 1.524x0.578 smd paste+0 mask+0: 2(-0.91,-0.95) 3(0.91,0)
  silkscreen extent -0.65,-1.45 0.65,1.45, body extent -1.92,-1.7 1.92,1.7, height 0.25
FP-425-04-IPC_A [mm]
  rect 1.408x0.822 smd paste+0 mask+0: 1(-1.78,0)
  rrect100% 1.408x0.822 smd paste+0 mask+0: 2(1.78,0)
  silkscreen extent -2.37,-0.8 1.35,1.04, body extent -2.98,-1.3 2.98,1.3, height 0.25
FP-0603-L_1_6_0_1-W_0_8_0-MFG [mm]
  rect 0.7x0.7 smd paste+0 mask+0: 1(-0.7,0) 2(0.7,0)
  silkscreen extent -0.85,-0.75 0.85,0.75, body extent -1.15,-0.55 1.15,0.55, height 0.25
FP-ASDM-ASDMB-MFG [mm]
  rect 0.65x0.85 smd paste+0 mask+0: 1(-0.825,-0.775) 2(0.825,-0.775) 3(0.825,0.775) 4(-0.825,0.775)
  silkscreen extent -0.95,-1.9 0.13,1.02, body extent -1.38,-1.3 1.38,1.3, height 0.25